# Altium PCB 2014.10.05_Remote_V14.3.PcbDoc (part 2 of 2)
Units mil, origin at the board's own origin, x right, y up, seen from the top; angles counter-clockwise.
Board outline 1909.45 x 4723.62 mil, 2 copper layers (Top Layer, Bottom Layer); 101 components, 83 nets, 315 pads, 421 vias.
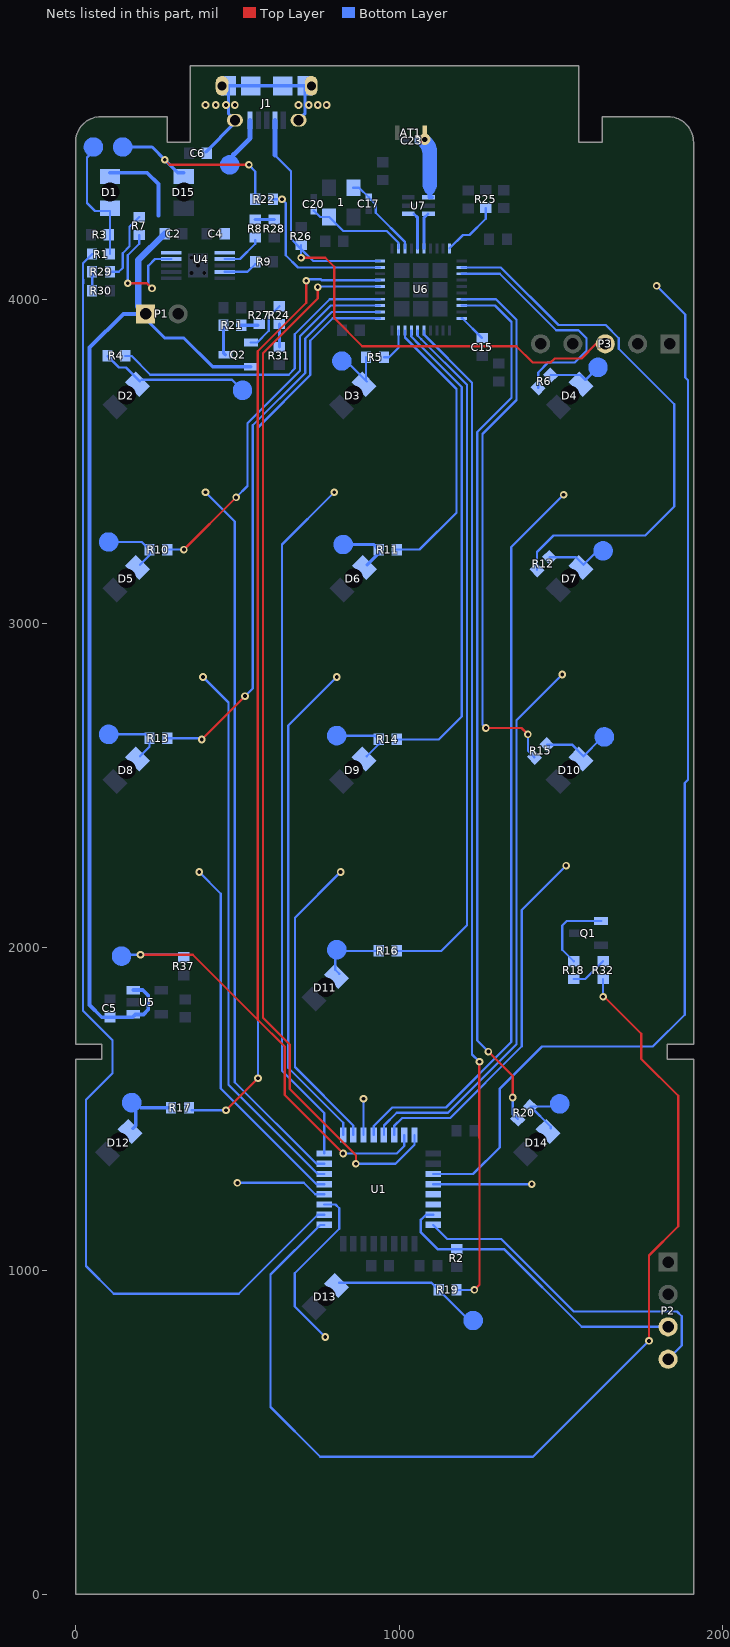
[diagram p2: the nets of this part, all layers, seen from the top]

## Via types
v1: diameter 23.62, hole 11.81, Top Layer to Bottom Layer, tented both sides, 412 vias
v2: diameter 19.68, hole 11.81, Top Layer to Bottom Layer, 8 vias
v3: diameter 35.43, hole 15.75, Top Layer to Bottom Layer, tented both sides, 1 vias

## Nets (pads, with @x,y where several pads share a name; then routed paths per layer and width w, separated by ;. In a path a pad name is that pad's centre, name@x,y a point inside that pad or via, vN(x,y) a via of type N, cw(c..) or ccw(c..) an arc to the next point about the centre after c; other vN are vias at no path point) (continued)
"LED 01": R4.1 U6.14 | length 969.7
  Bottom Layer w7: R4.1@153.54,3826.77 173.23,3826.77 231,3769 658.76,3769 677.42,3787.65 677.42,3893.95 785.43,4001.97 U6.14@940.55,4001.97
"LED 02": R5.1 U6.9 | length 110.9
  Bottom Layer w7: R5.1@952.75,3822.83 968.51,3822.83 998.03,3852.36 U6.9@998.03,3905.71
"LED 03": R6.1 U6.33 | length 731.1
  Bottom Layer w7: U6.33@1193.31,4080.71 1311,4080.71 1485.51,3906.2 1554.02,3906.2 1578.64,3881.58 1578.64,3842.42 1542.37,3806.15 1459.69,3806.15 1429.34,3775.79 R6.1@1429.34,3728.55
"LED 04": R10.1 U6.13 | length 1145.2
  Top Layer w7: v1(334.65,3228.35) v1(496.06,3389.76)
  Bottom Layer w7: R10.1@283.46,3228.35 v1(334.65,3228.35) ; v1(496.06,3389.76) 531.5,3425.2 531.5,3619.1 693.42,3781.03 693.42,3887.33 788.38,3982.28 U6.13@940.55,3982.28
"LED 05": R11.1 U6.8 | length 861.7
  Bottom Layer w7: R11.1@992.12,3228.35 1062.99,3228.35 1177.17,3342.52 1177.17,3724.41 1055.12,3846.45 1054.84,3846.45 1017.72,3883.58 U6.8@1017.72,3905.71
"LED 06": R12.1 U6.32 | length 1704.8
  Bottom Layer w7: U6.32@1193.31,4100.39 1313.95,4100.39 1492.14,3922.2 1638.02,3922.2 1678.64,3881.58 1678.64,3848.92 1849.89,3677.67 1849.89,3361.7 1759.84,3271.65 1476.38,3271.65 1425.4,3220.67 R12.1@1425.4,3165.56
"LED CONFIG": R22.1 U6.19 | length 512.1
  Bottom Layer w7: R22.1@610.23,4311.02 v1(637.8,4311.02) 649.35,4299.46 649.35,4138.05 687.01,4100.39 U6.19@940.55,4100.39
"LED DECREASE": R15.1 U6.37 | length 1722
  Top Layer w7: v1(1267.72,2677.17) 1377.95,2677.17 v1(1397.64,2657.48)
  Bottom Layer w7: U6.37@1193.31,4001.97 1299.23,4001.97 1362.59,3938.61 1362.59,3690.79 1257.17,3585.37 1257.17,2687.72 v1(1267.72,2677.17) ; v1(1397.64,2657.48) 1397.64,2606.7 R15.1@1417.53,2586.82
"LED DOWN": R19.1 U6.5 | length 3096.9
  Top Layer w7: v1(1232.28,940.94) 1248.03,956.69 1248.03,1410.5 1247.34,1411.19 v1@1247.34,1644.98
  Bottom Layer w7: U6.5@1076.77,3905.71 1076.77,3892.69 1225.17,3744.29 1225.17,1668.54 v1(1248.03,1645.67) ; R19.1@1177.16,940.95 v1(1232.28,940.94)
"LED INCREASE": R13.1 U6.12 | length 1738.8
  Top Layer w7: v1(389.76,2641.73) v1(523.62,2775.59)
  Bottom Layer w7: R13.1@283.46,2645.67 v1@385.83,2645.67 ; v1(523.62,2775.59) 547.5,2799.46 547.5,3612.48 709.42,3774.4 709.42,3880.7 791.32,3962.6 U6.12@940.55,3962.6
"LED LATCHING": R14.1 U6.7 | length 1488
  Bottom Layer w7: R14.1@992.12,2641.73 1122.05,2641.73 1193.17,2712.85 1193.17,3731.04 1061.75,3862.45 1061.47,3862.45 1037.4,3886.52 U6.7@1037.4,3905.71
"LED LEFT": R17.1 U6.11 | length 2836
  Top Layer w7: v1(464.57,1496.06) v1(563.5,1594.99)
  Bottom Layer w7: R17.1@358.26,1496.06 v1(464.57,1496.06) ; v1(563.5,1594.99) 563.5,3605.85 725.42,3767.77 725.42,3874.07 794.26,3942.91 U6.11@940.55,3942.91
"LED RIGHT": R20.1 U6.38 | length 2738.5
  Top Layer w7: v1(1275.59,1677.17) 1350.39,1602.36 v1(1350.39,1535.43)
  Bottom Layer w7: U6.38@1193.31,3982.28 1296.29,3982.28 1346.59,3931.99 1346.59,3697.42 1241.17,3591.99 1241.17,1711.59 v1@1279.53,1673.23 ; v1(1350.39,1535.43) 1350.39,1484.66 R20.1@1366.34,1468.71
"LED UP": R16.1 U6.6 | length 2151.3
  Bottom Layer w7: R16.1@992.12,1988.19 1129.92,1988.19 1209.17,2067.43 1209.17,3737.66 1068.38,3878.45 1068.09,3878.45 1057.09,3889.46 U6.6@1057.09,3905.71
LED_CHARGER: D1.2 R1.1 R3.1 | length 400.6
  Bottom Layer w7: 67.57,4472.44 55.12,4459.99 35.43,4440.31 35.43,4299.21 59.84,4274.8 106.3,4274.8 R1.1@106.29,4141.73
Net1_1: 1.1 C20.1 U6.22 | length 320.4
  Bottom Layer w7: C20.1@736.22,4275.79 755.91,4256.1 1.1@783.47,4256.1 826.97,4212.6 961.69,4212.6 998.03,4176.26 U6.22@998.03,4158.91
Net1_3: 1.3 C17.1 U6.23 | length 264.2
  Bottom Layer w7: 1.3@858.27,4346.65 875.98,4346.65 C17.1@905.51,4317.12 927.85,4294.78 927.85,4269.06 1017.72,4179.2 U6.23@1017.72,4158.91
NetAT1_1: AT1.1 C23.2 U7.1 | length 170.5
  Bottom Layer w15: U7.1@1094.49,4316.93 1094.49,4334.65
  Bottom Layer w25: 1094.49,4334.65 1094.49,4342.52
  Bottom Layer w35: 1094.49,4342.52 1094.49,4354.33
  Bottom Layer w46: v3@1082.68,4484.25 cw(c1054.16,4455.74) 1094.49,4455.74 1094.49,4354.33
  other v3: 1078.74,4496.06
NetC6_2: C6.2 J1.6 J1.7 J1.8 J1.9 | length 601.1
  Bottom Layer w10: C6.2@401.57,4456.69 492.13,4547.24 J1.9@492.13,4555.12 472.44,4574.8 J1.8@472.44,4661.42 J1.8@541.34,4661.42 J1.7@639.76,4661.42 J1.7@708.66,4661.42 708.66,4574.8 J1.6@688.98,4555.12
  other v1: 401.57,4602.36 433.07,4602.36 464.57,4602.36 492.13,4602.36 688.98,4602.36 720.47,4602.36 748.03,4602.36 775.59,4602.36
NetC15_1: C15.1 U6.40 | length 87.9
  Bottom Layer w7: U6.40@1193.31,3942.91 1194.88,3942.91 C15.1@1255.91,3881.89
NetQ1_1: Q1.1 R18.2 | length 250.7
  Bottom Layer w7: R18.2@1539.37,1956.7 1503.94,1992.13 1503.94,2066.93 1517.72,2080.71 Q1.1@1624.02,2080.71
NetQ2_1: Q2.1 R24.2 | length 160.4
  Bottom Layer w7: Q2.1@541.34,3868.11 560.98,3868.11 597.15,3904.28 597.15,3947.55 R24.2@629.92,3980.32
NetR1_2: R1.2 U1.10 | length 4083.7
  Bottom Layer w7: R1.2@51.17,4141.73 22.93,4113.48 22.93,4063.72 23.62,4063.02 23.62,4051.15 22.93,4050.45 22.93,1803.85 114.17,1712.6 114.17,1610.24 32.5,1528.56 32.5,1014.74 118.11,929.13 503.94,929.13 748.03,1173.23 U1.10@768.7,1173.23
NetR7_2: R7.2 R29.1 | length 222.8
  Bottom Layer w7: R29.1@106.29,4086.61 133.61,4086.61 145.42,4098.43 145.42,4144.42 166.63,4165.64 166.63,4225.7 R7.2@196.85,4255.91
NetR8_1: R8.1 U4.2 | length 125.9
  Bottom Layer w7: U4.2@460.63,4125.98 507.87,4125.98 555.12,4173.23 R8.1@555.12,4185.04
NetR8_2: R8.2 R28.1 | length 59
  Bottom Layer w10: R8.2@555.12,4248.04 R28.1@614.17,4248.02
NetR9_1: R9.1 U4.4 | length 104.3
  Bottom Layer w7: U4.4@460.63,4086.61 515.75,4086.61 531.5,4086.61 R9.1@555.12,4110.24
NetR18_1: R18.1 R32.2 | length 113.4
  Bottom Layer w7: R18.1@1539.37,1901.58 1574.8,1901.58 R32.2@1629.92,1956.7
NetR21_2: R21.2 R27.1 | length 51.2
  Bottom Layer w10: R21.2@511.82,3921.26 R27.1@562.99,3921.26
NetR24_1: R24.1 R31.2 | length 70.9
  Bottom Layer w10: R31.2@629.92,3854.34 R24.1@629.92,3925.2
NetR25_1: R25.1 U6.30 | length 183.2
  Bottom Layer w7: U6.30@1155.51,4158.91 1155.51,4159.45 1196.85,4200.79 1217.53,4200.79 1267.72,4250.97 R25.1@1267.72,4283.47
NetR29_2: R29.2 R30.2 | length 59.1
  Bottom Layer w7: R30.2@51.17,4027.56 R29.2@51.17,4086.61
RESET: J1.4 P3.3 R26.1 U6.20 | length 1920.2
  Top Layer w7: v1(696.85,4129.92) 771.4,4129.92 798.96,4102.36 798.96,3944.24 886.12,3857.07 1361.65,3857.07 1412.58,3806.15 1467.56,3806.15 1480.31,3818.9 1562.99,3818.9 1608.27,3864.17 P3.3@1636.61,3864.17
  Bottom Layer w7: 616.14,4446.85 665.35,4397.64 665.35,4188.98 R26.1@696.85,4157.49 ; v1(696.85,4129.92) R26.1@696.85,4157.49 ; R26.1@696.85,4169.3 R26.1@696.85,4157.49 ; U6.20@940.55,4120.08 734.26,4120.08 R26.1@696.85,4157.49
  Bottom Layer w15: 616.14,4446.85 J1.4@616.14,4555.12
RF_N: U6.26 U7.3 | length 111.7
  Bottom Layer w9: U6.26@1076.77,4158.91 1076.77,4253.94 U7.3@1088.58,4265.75
RF_P: U6.25 U7.4 | length 111.7
  Bottom Layer w9: U7.4@1045.28,4265.75 1057.09,4253.94 U6.25@1057.09,4158.91
RX_CC: R37.1 U1.23 U6.17 | length 3945.3
  Top Layer w7: v1(200.79,1976.38) 362.2,1976.38 562.99,1775.59 ; v1(712.6,4059.06) 712.6,3991.13 562.99,3841.52 562.99,1775.59 ; v1(826.77,1362.2) 645.92,1543.06 645.92,1692.66 562.99,1775.59
  Bottom Layer w7: 158.12,1976.38 v1(200.79,1976.38) R37.1@326.77,1976.38 ; v1(712.6,4059.06) 717.22,4063.68 758.1,4063.68 760.76,4061.02 U6.17@940.55,4061.02 ; v1(826.77,1362.2) 992.13,1362.2 1015.75,1385.83 U1.23@1015.75,1419.29
RX_MC: U1.24 U6.16 | length 3326.5
  Top Layer w7: v1(748.03,4039.37) 748.03,4003.94 578.99,3834.9 578.99,1782.22 661.92,1699.29 661.92,1561.44 866.14,1357.22 v1(866.14,1330.71)
  Bottom Layer w7: v1@750,4041.34 U6.16@940.55,4041.34 ; v1@866.14,1338.58 874.02,1330.71 988.19,1330.71 1047.24,1389.76 U1.24@1047.24,1419.29
S08_BGRD: P2.4 U1.32 | length 1034.5
  Bottom Layer w7: U1.32@1105.32,1141.73 1148.62,1098.43 1314.96,1098.43 1539.37,874.02 1858.27,874.02 1872.74,859.55 1872.74,768.8 P2.4@1830.71,726.77
S08_RESET: P2.3 R2.2 U1.31 | length 968.7
  Bottom Layer w7: U1.31@1105.32,1173.23 1082.68,1173.23 1066.93,1157.48 1066.93,1118.11 1118.1,1066.94 R2.2@1177.17,1066.94 1323.82,1066.94 1563.99,826.77 P2.3@1830.71,826.77
SLEEP: R32.1 U1.9 | length 3273.5
  Top Layer w7: v1@1631.89,1848.43 1748.03,1732.28 1748.03,1654.54 1861.95,1540.62 1861.95,1137.54 1771.65,1047.24 v1(1771.65,783.46)
  Bottom Layer w7: U1.9@768.7,1141.73 755.91,1141.73 602.36,988.19 602.36,578.74 755.91,425.2 1413.39,425.2 v1(1771.65,783.46) ; v1(1629.92,1846.46) R32.1@1629.92,1901.58
SUPPLY_VOL: C4.2 J1.1 U4.1 | length 127.5
  Bottom Layer w15: 488.19,4448.82 539.37,4500 J1.1@539.37,4555.12
TO0: U1.20 | length 2318.4
  Bottom Layer w7: U1.20@921.26,1419.29 921.26,1447.14 978.56,1504.44 1144.23,1504.44 1346.46,1706.67 1346.46,3236.22 v1(1507.87,3397.64)
TO1: U1.19 | length 112.2
  Bottom Layer w7: U1.19@889.76,1419.29 v1(889.76,1531.5)
TO2: U1.18 | length 946.3
  Bottom Layer w7: v1(818.9,2232.28) 677.67,2091.06 677.67,1629.42 858.27,1448.82 U1.18@858.27,1419.29
TO3: U1.17 | length 1547.4
  Bottom Layer w7: v1(807.09,2834.65) 657.48,2685.04 657.48,1626.98 826.77,1457.69 U1.17@826.77,1419.29
TO4: U1.16 | length 2164.4
  Bottom Layer w7: U1.16@768.7,1362.2 768.7,1487.2 637.8,1618.11 637.8,3244.09 v1(799.21,3405.51)
TO5: U1.15 | length 2241.3
  Bottom Layer w7: v1(401.57,3405.51) 492.13,3314.96 492.13,1582.68 744.09,1330.71 U1.15@768.7,1330.71
TO6: U1.14 | length 1702.9
  Bottom Layer w7: v1(393.7,2834.65) 472.44,2755.91 472.44,1574.8 748.03,1299.21 U1.14@768.7,1299.21
TO7: U1.13 | length 1139.2
  Bottom Layer w7: v1(381.89,2232.28) 448.82,2165.35 448.82,1562.99 744.09,1267.72 U1.13@768.7,1267.72
TO8: U1.12 | length 283.4
  Bottom Layer w7: v1(500,1271.65) 704.72,1271.65 740.16,1236.22 U1.12@768.7,1236.22
TO9: U1.11 | length 545
  Bottom Layer w7: U1.11@768.7,1204.72 803.15,1204.72 814.96,1192.91 814.96,1129.92 677.17,992.13 677.17,889.76 v1(771.65,795.28)
TO10: U1.30
TO11: U1.29
TO12: U1.28 | length 304.1
  Bottom Layer w7: U1.28@1105.32,1267.72 v1(1409.45,1267.72)
TO13: U1.27 | length 3382.7
  Bottom Layer w7: U1.27@1105.32,1299.21 1228.35,1299.21 1311.02,1381.89 1311.02,1562.99 1440.94,1692.91 1783.46,1692.91 1881.89,1791.34 1881.89,2507.56 1891.95,2517.62 1891.95,3751.67 1883.47,3760.15 1883.47,3955.11 v1(1795.28,4043.31)
TO14: U1.22 | length 1139.6
  Bottom Layer w7: U1.22@984.25,1419.29 984.25,1447.41 1009.29,1472.44 1157.48,1472.44 1378.46,1693.42 1378.46,2114.68 v1(1515.75,2251.97)
TO15: U1.21 | length 1744.4
  Bottom Layer w7: U1.21@952.76,1419.29 952.76,1448.82 992.38,1488.44 1150.85,1488.44 1362.46,1700.04 1362.46,2701.04 v1(1503.94,2842.52)
TP_LED01: D2.1 R4.2 | length 458.2
  Bottom Layer w7: R4.2@98.42,3826.77 133.85,3791.34 155.64,3791.34 D2.1@199.32,3747.66 ; D2.1@204.65,3753 483.22,3753 515.75,3720.47
TP_LED02: D3.1 R5.2 | length 162.4
  Bottom Layer w7: 836.65,3811.02 D3.1@897.63,3750.04 ; R5.2@897.63,3822.83 D3.1@897.63,3750.04 ; D3.1@900.01,3747.66 D3.1@897.63,3750.04
TP_LED03: D4.1 R6.2 | length 168.3
  Bottom Layer w7: R6.2@1468.31,3767.52 1560.09,3767.52 1575.22,3752.39 1614.17,3791.34
TP_LED04: D5.1 R10.2 | length 182
  Bottom Layer w7: 114.81,3251.97 204.72,3251.97 R10.2@228.34,3228.35 228.34,3210.67 D5.1@199.32,3181.64
TP_LED05: D6.1 R11.2 | length 165.9
  Bottom Layer w10: 839.22,3244.09 921.25,3244.09 R11.2@937,3228.35 937,3217.63 D6.1@901.01,3181.64
TP_LED06: D7.1 R12.2 | length 205.2
  Bottom Layer w7: R12.2@1464.37,3204.53 1546.43,3204.53 1569.32,3181.64 1612.08,3224.41 1617.47,3224.41 1642.37,3224.41
TP_LED_CONFIG: D15.1 R22.2 | length 590.3
  Top Layer w7: v1(275.59,4433.07) 291.34,4417.32 v1(535.43,4417.32)
  Bottom Layer w7: v1(535.43,4417.32) 544.96,4407.8 544.96,4407.07 555.11,4396.92 R22.2@555.11,4311.02
  Bottom Layer w10: 158.12,4472.44 236.22,4472.44 v1(275.59,4433.07) 315.75,4392.91 D15.1@334.65,4392.91
TP_LED_DECREASE: D10.1 R15.2 | length 211.6
  Bottom Layer w7: R15.2@1456.5,2625.79 1533.71,2625.79 1569.32,2590.18 1622.88,2643.74 1628.74,2649.61
TP_LED_DOWN: D13.1 R19.2 | length 450.2
  Bottom Layer w7: D13.1@814.59,963.02 1099.97,963.02 R19.2@1122.04,940.95 1215.91,847.07 1216.53,846.46
TP_LED_INCREASE: D8.1 R13.2 | length 186
  Bottom Layer w7: 114.81,2657.48 216.53,2657.48 R13.2@228.34,2645.67 228.34,2619.28 D8.1@199.24,2590.18
TP_LED_LATCHING: D9.1 R14.2 | length 189.2
  Bottom Layer w7: 819.54,2653.54 925.19,2653.54 R14.2@937,2641.73 937,2627.18 D9.1@900.01,2590.18
TP_LED_LEFT: D12.1 R17.2 | length 200.1
  Bottom Layer w10: D12.1@176.8,1439.4 185.68,1448.28 185.68,1519.68 201.43,1503.94 R17.2@295.27,1503.94
TP_LED_RIGHT: D14.1 R20.2 | length 172.7
  Bottom Layer w7: D14.1@1468.14,1439.4 1468.14,1444.86 R20.2@1405.32,1507.68 1483.73,1507.68
TP_LED_UP: D11.1 R16.2 | length 202.3
  Bottom Layer w7: D11.1@814.59,1917.74 802.46,1929.87 802.46,1975.05 807.09,1979.68 815.6,1988.19 818.9,1988.19 R16.2@937,1988.19
TS: R7.1 U4.9 | length 400
  Top Layer w7: v1(161.42,4051.18) 220.47,4051.18 v1(236.22,4035.43)
  Bottom Layer w7: v1(161.42,4051.18) 161.42,4137.8 196.85,4173.23 R7.1@196.85,4200.79 ; v1(236.22,4035.43) 224.16,4047.5 224.16,4105.05 245.09,4125.98 U4.9@295.28,4125.98
VBAT: C2.2 C5.2 D1.1 P1.1 Q2.2 U4.10 U5.1 U5.3 | length 3506.7
  Bottom Layer w10: P1.1@216.54,3956.69 216.54,3940.94 275.37,3882.11 334.43,3882.11 423.23,3793.31 Q2.2@541.34,3793.31
  Bottom Layer w12: D1.1@106.3,4392.91 221.26,4392.91 255.91,4358.27 255.91,4259.84 ; U5.3@178.35,1867.13 207.68,1867.13 224.41,1850.39 224.41,1807.09 209.64,1792.32 185.04,1792.32 176.18,1783.46 C5.2@106.3,1783.46 80.74,1783.46 43.31,1820.9 43.31,3852.33 147.67,3956.69 P1.1@216.54,3956.69
  Bottom Layer w20: P1.1@216.54,3956.69 192.91,3980.31 192.91,4122.05 C2.2@275.59,4204.72
VBAT_ADC: Q2.3 R21.1 | length 93.1
  Bottom Layer w10: R21.1@456.7,3921.26 456.7,3836.88 Q2.3@462.87,3830.71
pads on no net: D1.0 D2.0 D3.0 D4.0 D5.0 D6.0 D7.0 D8.0 D9.0 D10.0 D11.0 D12.0 D13.0 D14.0 D15.0 TP1.1 TP2.1 TP3.1 TP4.1 TP5.1 TP6.1 TP7.1 TP8.1 TP9.1 TP10.1 TP11.1 TP12.1 TP13.1 TP14.1 TP15.1 TP16.1 TP17.1 TP18.1 TP19.1 TP20.1 TP21.1 U1.2 U1.7 U1.8 U1.26 U4. U4.5 U4.6 U4.11@377.95,4106.3

## Polygon pours and split planes (outlines as drawn)
GND on Top Layer "Top Layer-No Net" (solid, remove dead copper, pour order 8): 1913.39,4507.87 11.81,4507.87 11.81,4145.67 11.81,3791.34 749.47,3776.84 cw(c757.53,3766.09) 757.54,3779.53 1401.57,3779.53 1401.57,4251.97 1909.45,4251.97
GND on Top Layer "Top Layer-No Net" (hatched 45Degree grid 64.64 track 10, remove dead copper, pour order 7): 0,0 1909.45,0 1909.45,4507.87 4.13,4507.87 2.95,4509.06
GND on Bottom Layer "Top Layer-No Net" (hatched 45Degree grid 100 track 10, remove dead copper, pour order 5): 0,0 1909.45,0 1909.45,4507.87 4.13,4507.87 2.95,4509.06
GND on Bottom Layer "Top Layer-No Net" (solid, remove dead copper, pour order 6): 0,0 1909.45,0 1909.45,4507.87 4.13,4507.87 2.95,4509.06

## Keep-outs
Keep-Out Layer:
  lines w10: 282.48,4566.14 78.74,4566.14 ccw(c78.74,4487.4) 0,4487.4 0,1700 80.71,1700 80.71,1653.54 0,1653.54 0,0 314.96,0 1596.46,0 1909.45,0 1909.45,1653.54 1828.74,1653.54 1828.74,1700 1909.45,1700 1909.45,4487.4 ccw(c1830.71,4487.4) 1830.71,4566.14 1627.95,4566.14 1626.77,4564.96 1626.77,4487.4 1555.12,4487.4 1555.12,4723.62 354.33,4723.62 354.33,4487.4 282.68,4487.4 282.68,4565.95

## Other copper
Top Layer:
  rectangle net GND: 303.15,3909.45 503.94,4232.28
  rectangle net NetC6_2: 354.33,4535.43 799.21,4723.62
  rectangle net GND: 954.72,4480.31 1031.5,4507.09
  pour cut-out: 796.75,4507.87 352.36,4507.87 352.36,4554.33 797.25,4554.33
  pour cut-out: 1555.12,4507.09 354.33,4507.09 354.33,4723.62 1555.12,4723.62
  region net TO13: 1652.36,3955.51 cw(c1652.36,4160.24) 1447.64,4160.24 cw(c1652.36,4160.24) 1652.36,4364.96 cw(c1652.36,4160.24) 1857.09,4160.24 cw(c1652.36,4160.24)
  region net TO9: 749.21,749.8 ccw(c953.94,749.8) 953.94,545.08 ccw(c953.94,749.8) 1158.66,749.8 ccw(c953.94,749.8) 953.94,954.53 ccw(c953.94,749.8)
  region net TO8: 111.42,1224.41 ccw(c316.14,1224.41) 316.14,1019.69 ccw(c316.14,1224.41) 520.87,1224.41 ccw(c316.14,1224.41) 316.14,1429.13 ccw(c316.14,1224.41)
  region net TO1: 749.92,1703.54 ccw(c954.65,1703.54) 954.65,1498.82 ccw(c954.65,1703.54) 1159.37,1703.54 ccw(c954.65,1703.54) 954.65,1908.27 ccw(c954.65,1703.54)
  region net TO12: 1387.01,1224.41 ccw(c1591.73,1224.41) 1591.73,1019.69 ccw(c1591.73,1224.41) 1796.46,1224.41 ccw(c1591.73,1224.41) 1591.73,1429.13 ccw(c1591.73,1224.41)
  region net TO14: 1450.79,2364.76 ccw(c1655.51,2364.76) 1655.51,2160.04 ccw(c1655.51,2364.76) 1860.24,2364.76 ccw(c1655.51,2364.76) 1655.51,2569.49 ccw(c1655.51,2364.76)
  region net TO2: 749.98,2364.76 ccw(c954.71,2364.76) 954.71,2160.04 ccw(c954.71,2364.76) 1159.43,2364.76 ccw(c954.71,2364.76) 954.71,2569.49 ccw(c954.71,2364.76)
  region net TO7: 49.21,2364.76 ccw(c253.94,2364.76) 253.94,2160.04 ccw(c253.94,2364.76) 458.66,2364.76 ccw(c253.94,2364.76) 253.94,2569.49 ccw(c253.94,2364.76)
  region net TO6: 47.32,2954.45 ccw(c252.05,2954.45) 252.05,2749.73 ccw(c252.05,2954.45) 456.77,2954.45 ccw(c252.05,2954.45) 252.05,3159.18 ccw(c252.05,2954.45)
  region net TO3: 750.98,2954.61 ccw(c955.71,2954.61) 955.71,2749.89 ccw(c955.71,2954.61) 1160.43,2954.61 ccw(c955.71,2954.61) 955.71,3159.34 ccw(c955.71,2954.61)
  region net TO15: 1450.79,2955.44 ccw(c1655.51,2955.44) 1655.51,2750.71 ccw(c1655.51,2955.44) 1860.24,2955.44 ccw(c1655.51,2955.44) 1655.51,3160.16 ccw(c1655.51,2955.44)
  region net TO0: 1449.02,3517.72 ccw(c1653.74,3517.72) 1653.74,3312.99 ccw(c1653.74,3517.72) 1858.47,3517.72 ccw(c1653.74,3517.72) 1653.74,3722.44 ccw(c1653.74,3517.72)
  region net TO4: 748.01,3517.72 ccw(c952.74,3517.72) 952.74,3312.99 ccw(c952.74,3517.72) 1157.46,3517.72 ccw(c952.74,3517.72) 952.74,3722.44 ccw(c952.74,3517.72)
  region net TO5: 47.32,3517.72 ccw(c252.05,3517.72) 252.05,3312.99 ccw(c252.05,3517.72) 456.77,3517.72 ccw(c252.05,3517.72) 252.05,3722.44 ccw(c252.05,3517.72)
  pour cut-out: 251.95,3273.62 cw(c251.95,3517.72) 7.86,3517.72 cw(c251.95,3517.72) 251.95,3761.81 cw(c251.95,3517.72) 496.05,3517.72 cw(c251.95,3517.72)
  pour cut-out: 952.74,3273.62 cw(c952.74,3517.72) 708.64,3517.72 cw(c952.74,3517.72) 952.74,3761.81 cw(c952.74,3517.72) 1196.83,3517.72 cw(c952.74,3517.72)
  pour cut-out: 1651.18,3914.17 cw(c1651.18,4158.27) 1407.09,4158.27 cw(c1651.18,4158.27) 1651.18,4402.36 cw(c1651.18,4158.27) 1895.28,4158.27 cw(c1651.18,4158.27)
  pour cut-out: 952.76,503.74 cw(c952.76,747.83) 708.66,747.83 cw(c952.76,747.83) 952.76,991.93 cw(c952.76,747.83) 1196.85,747.83 cw(c952.76,747.83)
  pour cut-out: 1591.73,980.31 cw(c1591.73,1224.41) 1347.64,1224.41 cw(c1591.73,1224.41) 1591.73,1468.5 cw(c1591.73,1224.41) 1835.83,1224.41 cw(c1591.73,1224.41)
  pour cut-out: 316.14,980.31 cw(c316.14,1224.41) 72.05,1224.41 cw(c316.14,1224.41) 316.14,1468.5 cw(c316.14,1224.41) 560.24,1224.41 cw(c316.14,1224.41)
  pour cut-out: 954.65,1459.45 cw(c954.65,1703.54) 710.55,1703.54 cw(c954.65,1703.54) 954.65,1947.64 cw(c954.65,1703.54) 1198.74,1703.54 cw(c954.65,1703.54)
  pour cut-out: 253.94,2120.67 cw(c253.94,2364.76) 9.84,2364.76 cw(c253.94,2364.76) 253.94,2608.86 cw(c253.94,2364.76) 498.03,2364.76 cw(c253.94,2364.76)
  pour cut-out: 954.71,2120.67 cw(c954.71,2364.76) 710.61,2364.76 cw(c954.71,2364.76) 954.71,2608.86 cw(c954.71,2364.76) 1198.8,2364.76 cw(c954.71,2364.76)
  pour cut-out: 1655.51,2120.67 cw(c1655.51,2364.76) 1411.42,2364.76 cw(c1655.51,2364.76) 1655.51,2608.86 cw(c1655.51,2364.76) 1899.61,2364.76 cw(c1655.51,2364.76)
  pour cut-out: 1655.51,2711.34 cw(c1655.51,2955.44) 1411.42,2955.44 cw(c1655.51,2955.44) 1655.51,3199.53 cw(c1655.51,2955.44) 1899.61,2955.44 cw(c1655.51,2955.44)
  pour cut-out: 955.71,2710.52 cw(c955.71,2954.61) 711.62,2954.61 cw(c955.71,2954.61) 955.71,3198.7 cw(c955.71,2954.61) 1199.8,2954.61 cw(c955.71,2954.61)
  pour cut-out: 252.05,2710.36 cw(c252.05,2954.45) 7.95,2954.45 cw(c252.05,2954.45) 252.05,3198.55 cw(c252.05,2954.45) 496.14,2954.45 cw(c252.05,2954.45)
  pour cut-out: 1653.74,3273.62 cw(c1653.74,3517.72) 1409.65,3517.72 cw(c1653.74,3517.72) 1653.74,3761.81 cw(c1653.74,3517.72) 1897.84,3517.72 cw(c1653.74,3517.72)
  pour cut-out: 1044.28,4496.61 cw(c1077.75,4496.61) 1077.75,4530.08 cw(c1077.75,4496.61) 1111.21,4496.61 cw(c1077.75,4496.61) 1077.75,4463.15 cw(c1077.75,4496.61)
Bottom Layer:
  rectangle net GND: 300.51,4175.67 435.71,4233.78
  rectangle net GND: 346.46,3909.45 409.45,4185.04
  rectangle net NetC6_2: 397.64,4614.17 799.21,4723.62
  rectangle net NetC6_2: 665.35,4535.43 799.21,4723.62
  rectangle net NetC6_2: 354.33,4535.43 515.75,4723.62
  rectangle net GND: 981.25,4291.34 1047.24,4350.39
  rectangle net GND: 271.65,3909.45 374.02,4007.87
  rectangle net VBAT: 165.35,3905.51 255.91,4007.87
  rectangle net SUPPLY_VOL: 444.88,4141.73 503.94,4468.5
  rectangle net VBAT: 232.28,4141.73 291.34,4299.21
  pour cut-out: 1555.12,4507.87 354.33,4507.87 354.33,4723.62 1555.12,4723.62
  pour cut-out: 796.75,4507.87 352.36,4507.87 352.36,4554.33 797.24,4554.33
  pour cut-out: 1555.12,4507.09 354.33,4507.09 354.33,4723.62 1555.12,4723.62
  pour cut-out: 1133.86,4507.87 1133.86,4299.21 1051.18,4299.21 1051.18,4507.87
  pour cut-out: 995.01,4249.86 1125.98,4249.86 1125.98,4333.82 994.01,4333.82
  pour cut-out: 1044.28,4496.61 cw(c1077.74,4496.61) 1077.74,4530.08 cw(c1077.74,4496.61) 1111.21,4496.61 cw(c1077.74,4496.61) 1077.74,4463.15 cw(c1077.74,4496.61)
  pour cut-out: 251.95,3273.62 cw(c251.95,3517.72) 7.86,3517.72 cw(c251.95,3517.72) 251.95,3761.81 cw(c251.95,3517.72) 496.05,3517.72 cw(c251.95,3517.72)
  pour cut-out: 952.74,3273.62 cw(c952.74,3517.72) 708.64,3517.72 cw(c952.74,3517.72) 952.74,3761.81 cw(c952.74,3517.72) 1196.83,3517.72 cw(c952.74,3517.72)
  pour cut-out: 1651.18,3914.17 cw(c1651.18,4158.27) 1407.09,4158.27 cw(c1651.18,4158.27) 1651.18,4402.36 cw(c1651.18,4158.27) 1895.28,4158.27 cw(c1651.18,4158.27)
  pour cut-out: 952.76,503.74 cw(c952.76,747.84) 708.66,747.84 cw(c952.76,747.84) 952.76,991.93 cw(c952.76,747.84) 1196.85,747.84 cw(c952.76,747.84)
  pour cut-out: 1591.73,980.32 cw(c1591.73,1224.41) 1347.64,1224.41 cw(c1591.73,1224.41) 1591.73,1468.5 cw(c1591.73,1224.41) 1835.83,1224.41 cw(c1591.73,1224.41)
  pour cut-out: 316.14,980.32 cw(c316.14,1224.41) 72.05,1224.41 cw(c316.14,1224.41) 316.14,1468.5 cw(c316.14,1224.41) 560.24,1224.41 cw(c316.14,1224.41)
  pour cut-out: 954.65,1459.45 cw(c954.65,1703.54) 710.55,1703.54 cw(c954.65,1703.54) 954.65,1947.64 cw(c954.65,1703.54) 1198.74,1703.54 cw(c954.65,1703.54)
  pour cut-out: 253.94,2120.67 cw(c253.94,2364.76) 9.84,2364.76 cw(c253.94,2364.76) 253.94,2608.86 cw(c253.94,2364.76) 498.03,2364.76 cw(c253.94,2364.76)
  pour cut-out: 954.71,2120.67 cw(c954.71,2364.76) 710.61,2364.76 cw(c954.71,2364.76) 954.71,2608.86 cw(c954.71,2364.76) 1198.8,2364.76 cw(c954.71,2364.76)
  pour cut-out: 1655.51,2120.67 cw(c1655.51,2364.76) 1411.42,2364.76 cw(c1655.51,2364.76) 1655.51,2608.86 cw(c1655.51,2364.76) 1899.61,2364.76 cw(c1655.51,2364.76)
  pour cut-out: 1655.51,2711.34 cw(c1655.51,2955.44) 1411.42,2955.44 cw(c1655.51,2955.44) 1655.51,3199.53 cw(c1655.51,2955.44) 1899.61,2955.44 cw(c1655.51,2955.44)
  pour cut-out: 955.71,2710.52 cw(c955.71,2954.61) 711.61,2954.61 cw(c955.71,2954.61) 955.71,3198.71 cw(c955.71,2954.61) 1199.8,2954.61 cw(c955.71,2954.61)
  pour cut-out: 252.05,2710.36 cw(c252.05,2954.45) 7.95,2954.45 cw(c252.05,2954.45) 252.05,3198.55 cw(c252.05,2954.45) 496.14,2954.45 cw(c252.05,2954.45)
  pour cut-out: 1653.74,3273.62 cw(c1653.74,3517.72) 1409.65,3517.72 cw(c1653.74,3517.72) 1653.74,3761.81 cw(c1653.74,3517.72) 1897.84,3517.72 cw(c1653.74,3517.72)

## Silkscreen, mask and mechanical layers (free items; w line width, h text height)
Top Overlay:
  drawing of 2235 lines, arcs and shapes, not listed
  text "V16" at 1771.65,55.12 h60
Bottom Overlay:
  lines w3: 590.55,4566.14 590.55,4723.62
  lines w5: 427.17,4724.41 427.17,4761.02 750,4761.02 750,4724.41
  text "www.lumi.vn" at 1527.56,4641.73 h70
  text "+" at 141.73,3901.57 h80
  text "-" at 401.57,3854.33 h70
  text "RMZ_V16" at 433.07,43.31 h60
Bottom Paste:
  rectangle: 681.1,4625.98 775.59,4696.85
  rectangle: 409.45,4625.98 500,4696.85
  rectangle: 665.35,4535.43 728.35,4582.68
  rectangle: 452.76,4535.43 515.75,4582.68
  rectangle: 346.46,3901.57 409.45,4070.87
  rectangle: 346.46,4141.73 409.45,4228.35
Bottom Solder:
  rectangle: 681.1,4625.98 775.59,4696.85
  rectangle: 409.45,4625.98 500,4696.85
  rectangle: 665.35,4535.43 728.35,4582.68
  rectangle: 452.76,4535.43 515.75,4582.68
  rectangle: 271.65,3901.57 381.89,4007.87
  rectangle: 141.73,3905.51 255.91,4007.87
  rectangle: 346.46,3901.57 409.45,4070.87
  rectangle: 346.46,4141.73 409.45,4228.35
  text "RMZ V2.0" at 1838.58,145.67 h40
  text "LUMI.,JSC" at 1838.58,62.99 h50